# KiCad board hellen88m42bmw.kicad_pcb (continued)
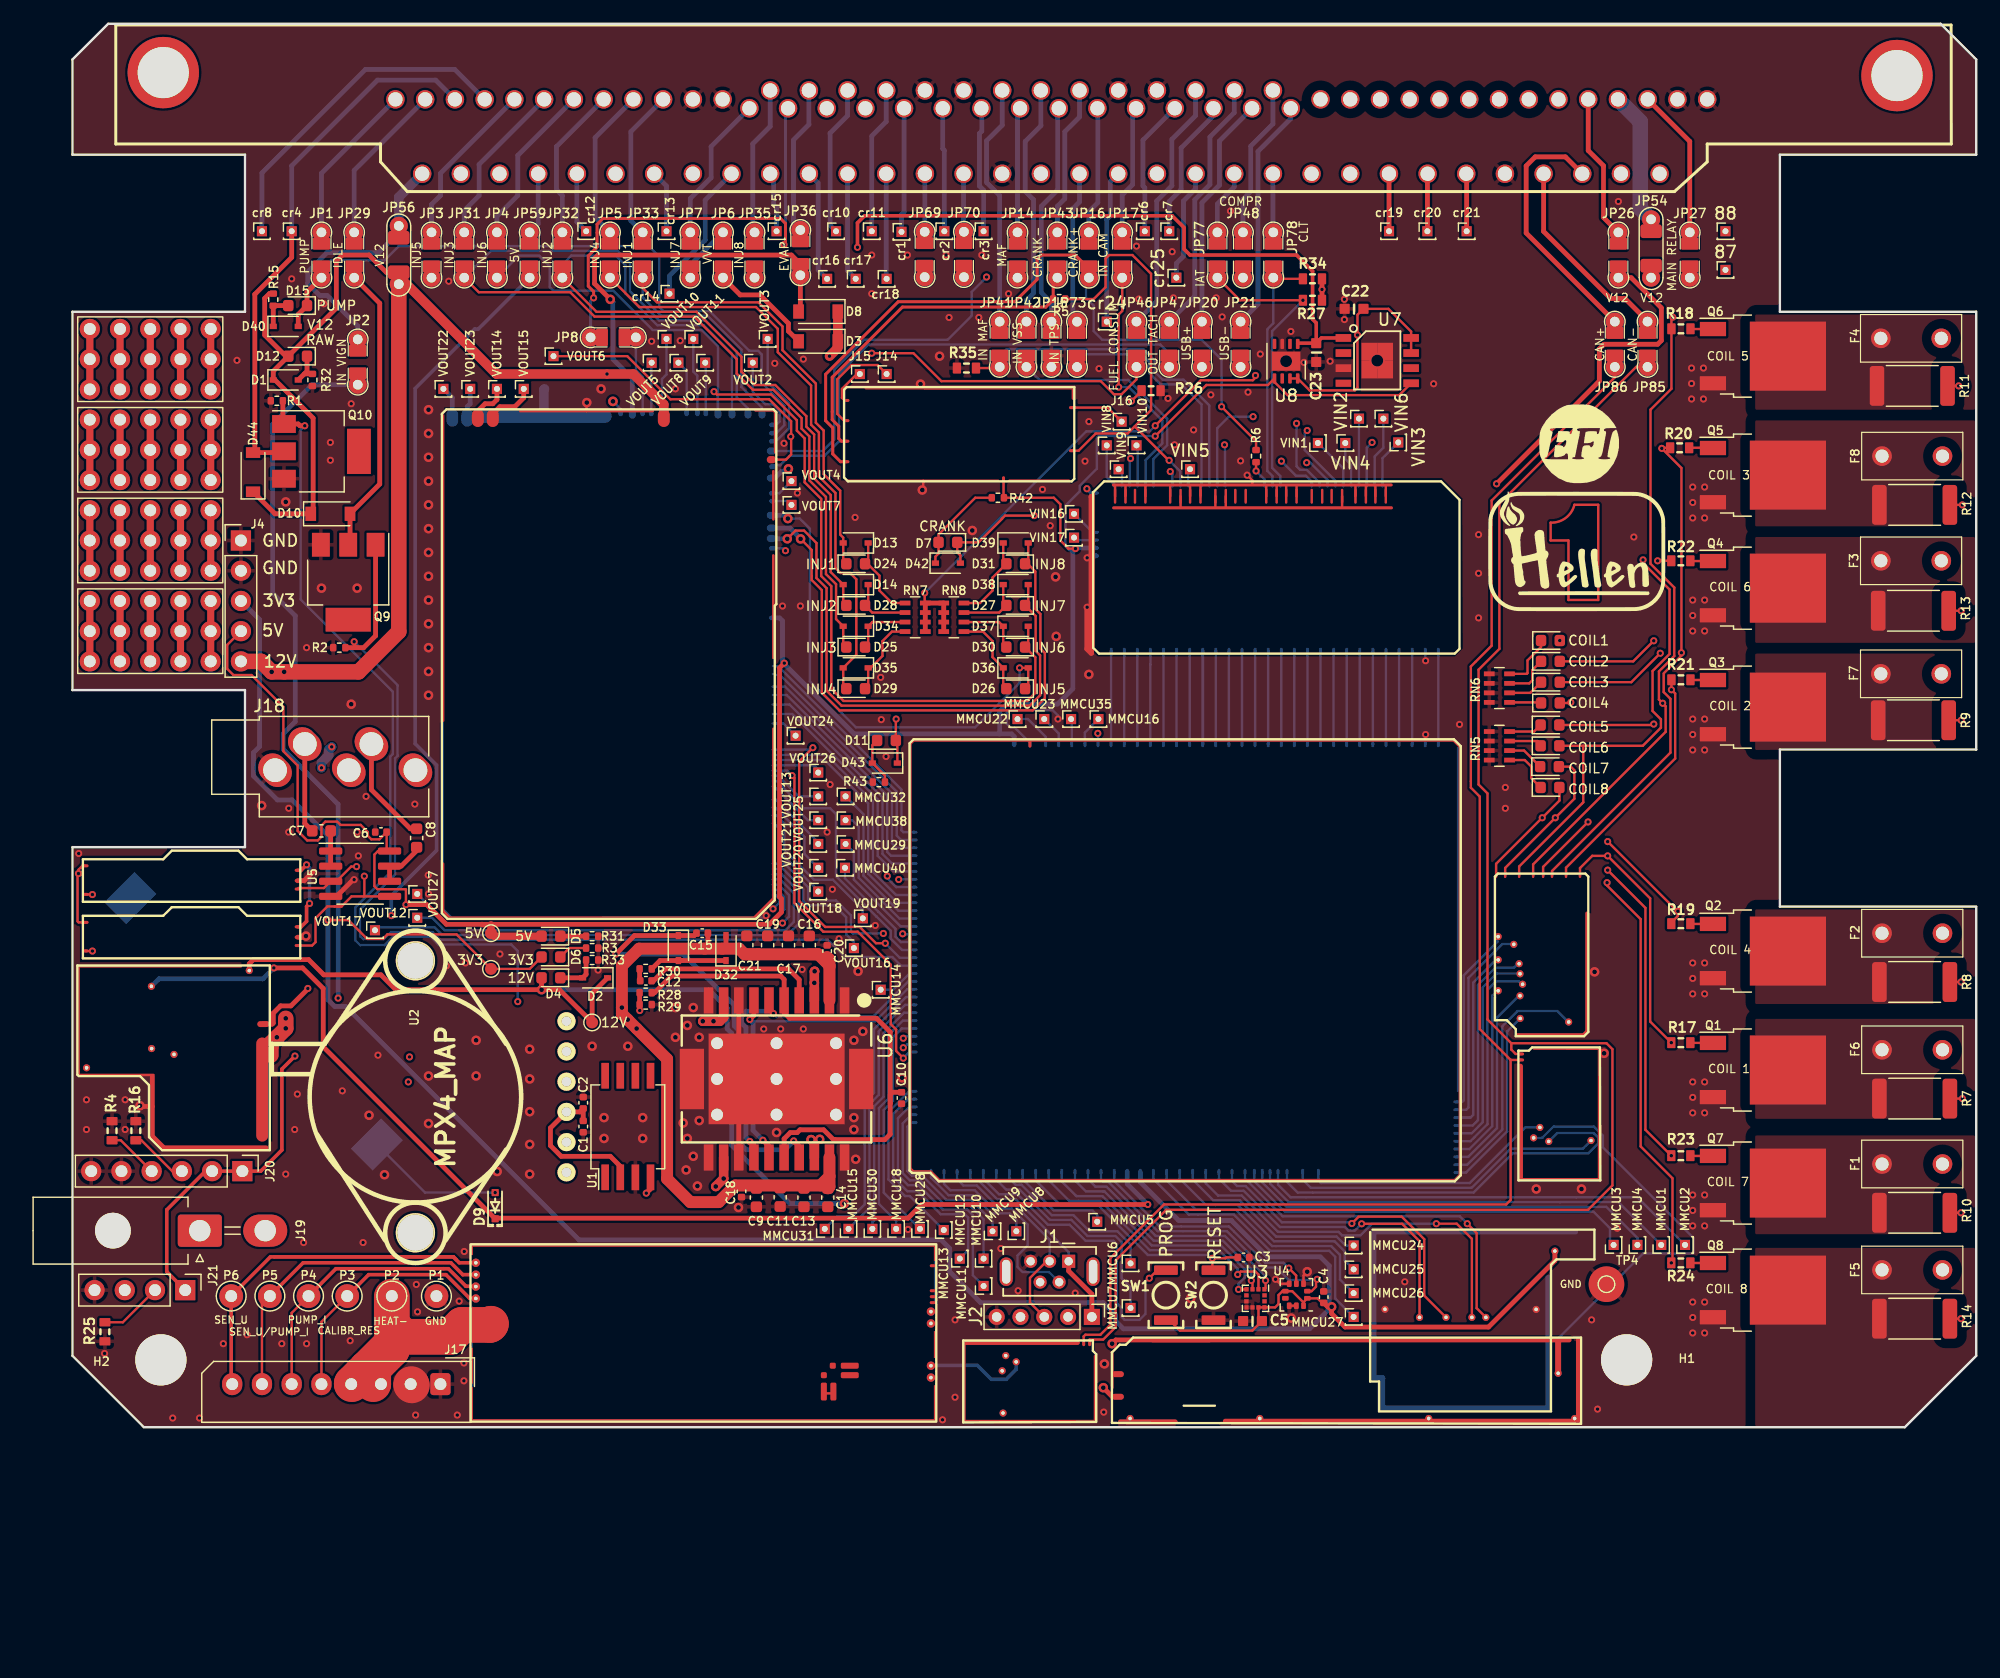
[diagram p0: board, top side]
## Routing (per net, layer and track width the routed paths; a pad name or vN(x,y) marks a point on that pad's centre or on a via; arc(x,y) is an arc through that point) (continued)
+5VA: length 247.6
  Top w0.2: M7.J17 96.93,77.32 ; M7.J18 96.06,77.32 ; M7.J7 106.71,77.32 ; M7.J21 93.13,77.32
  Top w0.3: M8.E1 19.21,46.81 v1(19.68,47.27) ; M12.E1 19.21,42.06 19.68,42.52 19.68,43.77 v1(19.93,44.02)
  Top w0.4: C1.1 C2.1 42.64,26.5 U2.3 40.18,25.16 40.18,23.67 41.07,22.77 45.2,22.77 46.04,21.93 U1.2 ; R34.2 v1(105.02,95.63) R27.2
  In1.Cu w0.3: 30.59,45.66 30.59,41.66 32.08,40.17 32.08,34.87 v1(28.33,31.12) ; 30.59,45.66 27.86,45.66 27.53,45.32 21.63,45.32 v1(19.68,47.27) ; 30.59,45.66 30.59,55.76 27.78,58.57 27.78,59.77 27.53,60.02 27.53,94.17 28.83,95.47 28.83,101.42 29.48,102.07 82.88,102.07 84.03,100.92 84.03,95.42 85.63,93.82 85.63,87.07 86.13,86.57 86.13,79.75 ; 86.13,79.75 86.2,79.68 92.58,79.68 93.15,80.25 93.15,82.14 93.53,82.51 93.53,90.22 94.73,91.42 98.32,91.42 102.53,95.63 v1(105.02,95.63) ; 86.13,79.75 v1(85.26,78.88) ; v1(28.23,29.02) 29.55,27.7 40.33,27.7 U2.3
  In2.Cu w0.3: v1(28.23,29.02) 28.23,31.02 v1(28.33,31.12)
  Bottom w0.2: M7.N1 114.8,57.4
  Bottom w0.3: v1(85.26,78.88) 85.62,78.52 M7.E5 ; v1(19.68,47.27) 19.93,47.02 v1(19.93,44.02)
+5VP: length 186.5
  Top w0.3: U7.1 104.97,91.55 C23.2 ; C23.2 104.53,92.82 104.23,93.12 104.23,97.17 102.88,98.52 93.93,98.52 93.43,99.02 93.43,100.82 92.43,101.82 66.58,101.82 65.98,101.22 v1(65.98,99.17) ; C23.2 103.04,91.12 U8.1 ; J21.1 7.93,13.07 7.93,18.27 11.18,21.52 J20.2 J20.1 15.82,21.52 17.6,23.3 17.6,30.1 v1(18.7,31.2)
  In1.Cu w0.3: JP59.2 40.31,98.5 65.3,98.5 v1(65.98,99.17) ; v1(18.7,31.2) 24.51,37.01 24.51,43 v1(26.8,43)
  Bottom w0.3: v1(26.8,43) 26.8,44.68 30.6,48.48 30.6,55.65 28.8,57.45 28.8,87.3 33.8,92.3 34.11,92.3 JP59.2
+12V: length 111.4
  Top w0.4: M5.V1 87.4,2.56 v2(86.64,3.32) ; v2(39.43,36.77) 27.18,36.77 25.93,38.02 21.13,38.02 19.85,39.3 15.21,39.3 14.86,38.96 M1.V1 ; v2(39.43,36.77) 40.93,36.77 TP1.1 43.68,36.47 D2.1 ; v2(39.43,36.77) D4.2
  In2.Cu w0.4: v2(86.64,3.32) 85.93,4.03 85.93,7.42 85.38,7.97 76.73,7.97 73.63,11.07 73.63,15.17 73.13,15.67 68.43,15.67 68.05,16.05 68.05,17.45 68,17.45 67.88,17.57 66.1,17.57 v2(64.88,18.8)
  Bottom w0.4: v2(39.43,36.77) 53.48,36.77 55.03,35.22 55.03,33.49 55.4,33.11 55.4,23.7 60.3,18.8 v2(64.88,18.8)
+12V_RAW: length 412.3
  Top w0.4: C15.1 53.41,40.5 53.13,40.22 ; D12.2 22.18,94.06 22.18,98.01 22.69,98.52 24.93,98.52 26.38,97.07 JP56.2 ; D12.2 16.88,88.76 D1.1 17.02,88.02 20.23,84.82 20.23,76.97 D10.1 17.03,76.77 D44.1 ; D12.2 17.93,90.02 16.16,91.79 16.16,94.88 16.56,95.28 R15.1 ; 54.63,40.22 54.93,40.52 D32.2 ; 57.26,20.3 C9.1 ; 63.68,20.27 C14.1
  Top w0.8: JP56.2 27.43,96.72 35.63,88.52 v1(44.93,88.52) 47.14,88.52 49.7,85.96 M9.S11 ; v1(63.63,90.02) 64.33,90.72 D3.1 D8.1
  Top w1: U6.2 63.62,38.72 ; 63.62,38.72 63.62,39.33 63.43,39.52 ; 63.62,38.72 63.62,38.8 62.68,39.75 ; 57.65,39.75 C21.1 ; 57.65,39.75 62.68,39.75 ; 57.65,39.75 56.5,39.75 56.03,40.22 47.63,40.22 46.18,38.77 v2(46.18,35.27) 46.18,34.75 v2(46.66,34.26) v2(47.41,33.51) 49.98,30.95 49.98,20.87 51.93,18.92 54.31,18.92 55.71,20.32 62.87,20.32 63.62,21.08 ; U6.19 63.62,21.08 ; 63.62,21.08 63.62,20.22 C14.1 ; 62.68,39.75 C16.1
  Top w1.3: v2(17.93,34.36) v2(17.93,33.52) v2(17.18,32.77) 16.68,32.27 v2(16.68,32.02) 16.68,31.27 ; JP56.2 27.43,66.87 24.04,63.49 v2(17.79,63.49) v2(16.74,63.49) 15.86,64.37 J4.5
  In1.Cu w0.8: 20.93,55.52 21.21,55.81 21.21,56.18 21.79,56.75 21.79,57.11
  In1.Cu w1.3: J4.5 15.04,63.49 18.08,63.49 21.79,59.78 v1(21.79,57.18) 21.79,57.11 ; 18.18,46.77 18.18,48.32 20.93,51.07 v1(20.93,55.42) 20.93,55.52 ; 18.18,46.77 18.18,47.77 ; 18.18,46.77 18.18,33.52 v2(16.68,32.02)
  In2.Cu w0.8: v1(44.93,88.52) 45.03,88.42 62.03,88.42 v1(63.63,90.02)
  In2.Cu w1: v2(47.41,33.51) 46.18,34.75 v2(46.18,35.27) 45.68,35.77 43.93,35.77 43.83,35.67 39.38,35.67 38.07,34.36 v2(17.93,34.36) 17.93,33.27 v2(16.68,32.02)
  In2.Cu w1.3: 132.68,96.62 131.06,98.23 129.85,98.23 128.31,99.76 128.31,101.31 128.52,101.52 128.52,106.08 126.08,108.52 27.68,108.52 25.81,106.66 25.81,97.68 JP56.2
  Bottom w0.8: v1(21.79,57.18) 21.54,56.93 21.54,56.47 20.93,55.85 v1(20.93,55.42)
/12V_prot: length 119.8
  Top w0.2: v1(91,84.17) 94.83,88 99.2,88 99.43,88.23 v1(99.43,88.4) ; U8.7 U8.8 103.98,87.15 107.77,87.15 108,87.37 v1(108,91.8) 108,93.5 C22.2 110.6,94 112.51,92.09 U7.8 U7.7 ; RN7.4 71.63,69.32 v1(71.63,70.12) ; VOUT6.1 46.63,90.02 50.25,86.4 58.55,86.4 60.4,84.55 60.4,83.3 v1(60.37,83.26) 60.4,83.23 60.4,81.75 59.97,81.33 M9.W5
  Top w0.4: RN7.1 RN7.4 RN8.1 RN8.4
  In1.Cu w0.2: v1(99.43,88.4) 100.53,87.3 106.8,87.3 108,88.5 v1(108,91.8)
  In2.Cu w0.2: v1(71.63,70.12) 71.63,72 v1(60.37,83.26)
  Bottom w0.2: v1(91,84.17) 90.53,83.7 85.2,83.7 v1(71.63,70.12)
/V12_PERM: length 174.7
  Top w0.4: JP26.2 131,96.62 133.54,94.08 133.54,91.33 133.23,91.02 128.72,91.02 128.33,90.63 128.33,87.93 v1(119.69,79.29)
  In1.Cu w0.4: M1.V4 9.5,30.37 28.63,30.37 39.93,41.67 61.33,41.67 69.33,49.67 69.33,58.02 70.18,58.87 77.18,58.87 79.83,61.52 118.62,61.52 120.13,63.03 120.13,78.86 v1(119.69,79.29)
/VBAT: length 99.9
  Top w0.4: v1(90.38,18.72) 71.38,18.72 70.23,17.57 35.48,17.57 21.08,31.97 21.08,36.87 19.35,38.6 v1(16.93,38.6)
  Bottom w0.4: v1(16.93,38.6) 16.01,37.69 7.26,37.69 M1.V2 ; v1(90.38,18.72) 88.65,20.45 M11.N17
/VBUS: length 17.7
  Top w0.4: J1.1 83.73,13.13 85.68,11.18 J2.1
  Bottom w0.2: J1.1 83.73,14.71 79.27,19.17 77.71,19.17 76.16,20.72 75.62,20.72 75.45,20.89 M11.N29
/VSS: length 7.9
  Bottom w0.2: M7.N20 93.9,57.4
GND: length 92.7
  Top w0.2: M2.E1 128.33,31.82 v2(128.73,31.43) ; v2(43.23,86.12) 43.2,86.1 M9.G ; U4.3 103.46,12.76 v2(103.78,13.07) ; U4.9 U4.8 ; U4.5 101.49,12.06 v1(101.11,12.43) ; M7.J5 108.71,79.18 ; M7.J11 102.88,79.18 ; M7.J12 102.01,79.18 ; v2(71.28,87.67) 71.62,87.33 M6.G ; M7.J14 100.33,79.18 ; M7.J19 94.81,79.18 ; M7.J25 88.5,79.18 ; v1(98.73,80.02) 99.16,79.59 M7.J2 ; M7.J20 93.93,79.18 ; M7.J22 92.26,79.18 ; M7.J4 109.51,79.18 ; M7.J23 90.18,79.18 ; M7.J6 107.83,79.18 ; M7.J13 101.21,79.18 ; M7.J26 87.63,79.18 ; v2(71.43,78.77) 71.5,78.85 M6.G ; M7.J3 110.38,79.18
  Top w0.4: M8.E2 19.47,45.94 20.24,46.71 ; U5.4 22.19,44.62 23.59,46.02 v1(23.67,46.02) ; v2(5.68,27.02) 5.74,26.96 M1.S1 ; U6.8 56,32.45 U6.SLUG2 56,26.1 U6.13 ; M12.E2 19.53,41.19 v2(19.63,41.28)
  Top w0.457: v1(85.28,68.92) 85.28,65.42 85.63,65.07 85.63,78.22 85.63,78.22
  Top w3: 28.48,3.62 28.48,3.57 28.53,3.52
  Bottom w0.2: M7.N2 113.7,64.45 v1(113.73,64.42) ; v1(113.73,58.22) 113.69,58.19 113.69,57.4 ; v1(82.83,59.52) 82.83,59.82 82.37,60.27 78.73,60.27 78.53,60.07 78.53,59.12 78.85,58.8 79.2,58.8 80.47,57.53 80.47,57.4 ; v1(58.3,42.99) 58.15,42.84 M9.G
  Bottom w0.4: 85.81,73.24 M7.E1 85.44,73.24 v1(85.28,73.07)
  Bottom w0.8: 39.68,87.27 39.62,87.22 M9.S3
  vias: v1(0.53,48.22) v1(1.18,27.52) v1(1.18,25.02) v1(2.7,6.2) v1(4.43,27.52) v1(4.43,25.02) v1(8.43,0.77) v1(10.68,0.77) v1(12.68,7.02) v1(13.83,89.67) v1(14.68,7.77) v1(17.59,7.02) v1(17.93,21.27) v1(18.18,52.02) v1(18.18,50.02) v1(18.43,96.52) v1(18.68,25.02) v1(18.9,28) v1(19.43,15.52) v1(19.68,65.52) v1(19.68,7.02) v1(21.13,94.42) v1(21.68,82.77) v1(21.68,81.27) v1(22.68,28.27) v1(23.34,7.27) v1(23.43,86.02) v1(23.93,50.02) v1(24.03,48.02) v1(24.43,15.52) v1(24.68,53.02) v1(25.68,31.27) v1(28.78,52.37) v1(28.84,1.02) v1(28.9,12) v1(29,9.7) v1(29.9,46.4) v1(29.93,44.82) v1(31.43,38.77) v1(31.63,96.32) v1(32.34,1.02) v1(32.5,10.6) v1(32.93,14.77) v1(32.9,5.4) v1(32.9,3.9) v1(33.03,39.02) v1(35.93,39.77) v1(44.18,38.42) v1(48.68,91.27) v1(50.68,87.27) v1(51.08,91.32) v1(58.1,33.47) v1(59.03,89.42) v1(59.53,33.47) v1(59.68,69.02) v1(59.8,82.7) v1(60.93,78.52) v1(61.18,69.02) v1(61.33,38.47) v1(61.43,89.77) v1(61.43,33.47) v1(63.43,50.02) v1(63.68,54.02) v1(63.87,45.21) v1(64.43,41.05) v1(65.78,76.47) v1(67.18,98.52) v1(67.18,95.27) v1(67.48,42.17) v1(67.93,63.02) v1(67.98,59.47) v1(68.38,56.37) v1(70.18,98.52) v1(70.23,16.62) v1(73.13,0.62) v1(73.43,98.52) v1(73.68,93.27) v1(74.18,9.02) v1(74.18,2.52) v1(76.18,93.27) v1(76.43,98.52) v1(78.03,15.02) v1(78.68,95.27) v1(79.48,11.47) v1(81.53,78.82) v1(82.18,75.77) v1(84.28,11.27) v1(85.1,81.2) v1(85.43,84.52) v1(86.28,88.97) v1(86.68,1.27) v1(89.43,99.27) v1(89.63,94.82) v1(92.08,86.47) v1(92.43,98.8) v1(92.53,94.92) v1(92.63,82.57) v1(94.23,83.82) v1(95.68,86.77) v1(96.13,94.92) v1(96.63,93.32) v1(97.33,102.22) v1(98.18,81.22) v1(98.8,87) v1(99.83,90.2) v1(102.4,92.1) v1(103.5,89.5) v1(105.7,89.6) v1(106.9,94.8) v1(106.9,93.1) v1(111.98,12.22) v1(114.4,87.7) v1(116.58,59.07) v1(118.18,75.02) v1(118.18,71.77) v1(118.18,68.02) v1(120.43,53.77) v1(120.43,52.02) v1(127.68,9.02) v1(128.18,1.52) v1(129.83,16.72) v1(129.93,103.02) v1(131.23,74.82) v1(136.07,89.02) v1(136.07,87.72) v1(136.07,86.42) v1(136.17,79.02) v1(136.17,77.72) v1(136.17,76.42) v1(136.17,69.52) v1(136.17,68.22) v1(136.17,66.92) v1(136.17,59.52) v1(136.17,58.22) v1(136.17,56.92) v1(136.17,39.02) v1(136.17,37.72) v1(136.17,36.42) v1(136.17,29.02) v1(136.17,27.72) v1(136.17,26.42) v1(136.17,19.52) v1(136.17,18.22) v1(136.17,16.92) v1(136.17,10.52) v1(136.17,9.22) v1(136.17,7.92) v1(137.07,89.02) v1(137.07,86.42) v1(137.17,79.02) v1(137.17,76.42) v1(137.17,69.52) v1(137.17,66.92) v1(137.17,59.52) v1(137.17,56.92) v1(137.17,39.02) v1(137.17,36.42) v1(137.17,29.02) v1(137.17,26.42) v1(137.17,19.52) v1(137.17,16.92) v1(137.17,10.52) v1(137.17,7.92) v2(15.9,52.25) v2(17.93,77.77) v2(20.93,70.52) v2(23.43,60.77) v2(23.93,70.52) v2(24.93,26.22) v2(26.23,21.22) v2(29.93,85.52) v2(29.93,83.52) v2(29.93,81.52) v2(29.93,79.52) v2(29.93,77.52) v2(29.93,75.52) v2(29.93,73.52) v2(29.93,71.52) v2(29.93,69.52) v2(29.93,67.52) v2(29.93,65.52) v2(29.93,63.52) v2(29.93,61.52) v2(29.93,29.52) v2(29.93,25.52) v2(33.93,32.52) v2(33.93,29.52) v2(35.7,21.49) v2(38.43,31.77) v2(38.43,29.27) v2(38.43,26.52) v2(38.43,23.77) v2(38.43,21.27) v2(43.68,32.02) v2(44.43,87.27) v2(44.68,26.02) v2(44.68,24.27) v2(46.68,32.02) v2(47.93,26.02) v2(47.93,24.27) v2(50.68,35.27) v2(50.68,32.77) v2(51.33,25.57) v2(51.58,21.62) v2(51.68,33.77) v2(51.68,24.27) v2(52.18,35.27) v2(52.18,22.77) v2(52.53,20.27) v2(52.68,32.77) v2(52.68,25.77) v2(55.98,18.47) v2(59.18,24.77) v2(65.68,32.52) v2(65.68,26.02) v2(65.68,25.02) v2(65.83,22.52) v2(66.03,38.32) v2(66.43,33.27) v2(69.73,29.37) v2(72.88,90.02) v2(75.63,75.37) v2(82.63,71.47) v2(82.68,66.47) v2(85.43,63.27) v2(86.73,5.32) v2(93.98,10.82) v2(102.43,9.17) v2(123.03,20.02) v2(126.83,20.02) v2(127.93,38.27) v3(102,89.6) v3(109.66,89.65)
/+ETB: length 29
  Top w0.4: v1(56.93,34.27) 57.27,34.62 U6.7 ; v1(58.03,24.12) 58.54,23.61 U6.15
  Bottom w0.2: v1(56.93,34.27) 57.08,34.12 67.46,34.12 70.16,36.82 M11.E14
  Bottom w0.4: v1(56.93,34.27) 57.2,34 57.2,24.95 v1(58.03,24.12)
/-ETB: length 29.7
  Top w0.4: v1(58.91,34.77) 58.54,35.14 U6.6 ; U6.14 57.27,23.68 v1(56.93,24.02)
  Bottom w0.2: M11.E15 70.25,37.48 67.3,34.52 59.16,34.52 v1(58.91,34.77)
  Bottom w0.4: v1(56.93,24.02) 56.6,24.35 56.6,33.61 56.23,33.98 56.23,34.56 56.64,34.97 58.71,34.97 v1(58.91,34.77)
/A1: length 7.9
  Bottom w0.2: M7.N4 111.5,57.4
/A2: length 7.9
  Bottom w0.2: 102.69,57.4 102.69,65.27
/A4: length 7.9
  Bottom w0.2: M7.N11 103.8,57.4
/AC_COMPR: length 15.7
  In2.Cu w0.2: v1(69.78,41.47) 68.18,41.47 v1(68.15,41.5)
  Bottom w0.2: v1(68.15,41.5) 65.6,41.5 65.43,41.67 65.43,43.02 64.18,44.27 61.93,44.27 61.83,44.37 61.83,45.38 59.85,47.36 M9.W34 ; M11.E21 69.81,41.44 v1(69.78,41.47)
/AFR: length 7.9
  Bottom w0.2: M7.N18 96.1,57.4
/AUX4: length 7.9
  Bottom w0.2: 108.19,65.27 108.19,57.4
/BOOT0: length 27.5
  Top w0.2: SW1.1 91.18,13.2 v1(90.5,12.52)
  Bottom w0.2: M11.N28 76.55,20.9 77.88,19.57 79.43,19.57 81.98,17.02 83.8,17.02 85.15,15.67 87.49,15.67 87.78,15.39 87.78,10.42 88.18,10.02 88.18,9.27 88.43,9.02 89.68,9.02 90.18,9.52 90.18,12.2 v1(90.5,12.52)
/CAM: length 7.9
  Bottom w0.254: M7.N19 95,57.4
/CAN+: length 121.8
  Top w0.2: 120.87,30.88 120.87,19.1 120.49,18.72 91.74,18.72 87.23,14.21 87.23,8.61 86.39,7.77 85.13,7.77 84.99,7.64 M4.S2 ; 120.87,30.88 118.28,33.47 118.28,53 117.53,53.75 117.53,63.94 119.28,65.69 119.28,77.89 129.63,88.24 JP86.2 ; 120.87,30.88 120.87,30.87 M2.S2
/CAN-: length 139
  Top w0.2: M4.S1 85.49,7.37 86.63,7.37 87.68,8.42 87.68,14.02 91.93,18.27 127.38,18.27 129.43,20.32 129.43,31.77 128.93,32.27 120.93,32.27 ; 120.93,32.27 120.93,31.74 121.29,31.37 M2.S1 ; 120.93,32.27 118.93,34.27 118.93,53.27 118.18,54.02 118.18,63.67 119.93,65.42 119.93,77.62 131.42,89.12 JP85.2
/CAN_RX: length 26.8
  Bottom w0.2: M11.N2 103.4,20.8 104.08,20.12 117.59,20.12 120.89,23.42 126.95,23.42 M2.V6
/CAN_TX: length 34.2
  Bottom w0.2: M11.N3 102.08,20.62 102.98,19.72 104.24,19.72 117.76,19.72 121.06,23.02 127.4,23.02 128.23,23.85 128.23,24.35 127.85,24.72 124.78,24.72 M2.V5
/CAN_VIO: length 21.4
  Bottom w0.2: M11.N1 104.72,20.73 104.93,20.52 117.43,20.52 122.1,25.2 M2.V2
/CLT: length 7.9
  Bottom w0.2: M7.N16 98.3,57.4
/CRANK: length 7.9
  Bottom w0.2: M7.N21 92.8,57.4
/ETB_EN: length 32
  Top w0.4: v1(47.68,35.02) 47.67,35.03 47.67,36.27
  In1.Cu w0.4: v1(68.48,46.33) 67.68,46.33 61.82,40.47 48.98,40.47 47.68,39.17 v1(47.68,35.02)
  Bottom w0.2: v1(68.48,46.33) 68.48,46.15 69.23,45.4 M11.E27
/EVAP: length 23.1
  In2.Cu w0.2: v1(69.83,31.9) 69.75,31.9 66.73,34.92 66.73,40.67 66.4,41 65.45,41 64.07,42.37 v1(59.68,42.37)
  Bottom w0.2: v1(69.83,31.9) 69.87,31.9 70.17,32.2 M11.E7 ; M9.W38 59.35,45.6 60.23,44.72 60.23,42.92 v1(59.68,42.37)
/FUEL_CONSUM: length 28.4
  Top w0.2: v1(62.23,57.11) 61.08,55.96 61.08,44.24 63.27,42.05 66.17,42.05 67.53,40.68 v1(68.31,40.68)
  Bottom w0.2: v1(62.23,57.11) 62.07,56.95 M9.W22 ; v1(68.31,40.68) 69.53,39.46 M11.E18
/HV_1: length 110
  In1.Cu w1.2: F6.1 154.59,34.3 136.67,34.3 133.53,37.45 133.53,54.22 130.28,57.47 130.28,68.42 126.83,71.87 126.83,81.27 113.63,94.47 113.63,94.5 112.27,95.86 112.27,109.23 PP1.50
/HV_2: length 76.1
  In1.Cu w1.2: PP1.51 118.77,107.73 118.77,93.43 129.83,82.37 129.83,72.97 131.7,71.1 147.5,71.1 155.28,63.32 F7.1
/HV_3: length 58.6
  In1.Cu w1.2: PP1.52 125.27,106.23 125.27,91.08 131.08,85.27 153.52,85.27 F8.1
/HV_4: length 108.6
  In1.Cu w1.2: 131.73,69.02 128.38,72.37 128.38,81.77 115.52,94.63 115.52,108.48 PP1.23 ; 131.73,69.02 131.73,58.17 135.08,54.82 135.08,49.92 145.83,39.17 154.82,39.17 F2.1 ; 131.73,69.02 131.73,59.02
/HV_5: length 51.2
  In1.Cu w1.5: F4.1 155.19,89.65 144.5,89.65 141.13,93.02 141.13,104.12 136.43,108.82 124.99,108.82 122.39,111.43 PP1.25
/HV_6: length 68.1
  In1.Cu w1.2: PP1.24 122.02,106.98 122.02,92.23 131.28,82.97 131.28,76.67 133.03,74.92 154.97,74.92 F3.1
/HV_7: length 120.8
  In1.Cu w1.2: F1.1 154.02,25.27 135.7,25.27 131.93,29.05 131.93,53.62 128.83,56.72 128.83,67.82 125.38,71.27 125.38,80.67 109.02,97.03 109.02,109.98 PP1.22
/HV_8: length 129.2
  In1.Cu w1.2: PP1.49 105.77,110.73 105.77,98.23 123.83,80.17 123.83,70.62 127.33,67.12 127.33,56.07 130.43,52.97 130.43,24.35 133.87,20.9 137.9,20.9 143.1,15.7 154.69,15.7 F5.1
/IAT: length 7.9
  Bottom w0.2: M7.N15 99.4,57.4
/ICV: length 114
  Top w0.4: v1(19.53,84.17) 19.12,84.17 18.97,84.32 Q10.1 17.69,84.41 R1.2
  In1.Cu w0.2: v1(37.43,35.77) 40.43,32.77 47.67,32.77 48.28,33.38 48.28,39.07 49.18,39.97 62.03,39.97 67.78,45.73 69.13,45.73 v1(69.44,46.04)
  Bottom w0.2: v1(37.43,35.77) 37.43,40.02 36.87,40.57 30.74,40.57 30.1,41.22 26.94,41.22 26.24,40.52 24.18,40.52 23.78,40.92 23.78,43.69 26.72,46.63 26.72,56.38 26.93,56.59 26.93,61.82 19.18,69.57 19.18,83.82 v1(19.53,84.17) ; M11.E28 69.46,46.06
/IDLE: length 86.9
  Top w0.2: v1(23.68,66.02) 23.68,65.77 23.93,65.52
  Top w0.4: R2.2 24.48,65.52 25.48,66.52 Q9.1
  Bottom w0.2: v1(23.68,66.02) 27.33,62.37 27.33,56.42 27.11,56.21 27.11,46.46 24.18,43.52 24.18,41.27 24.43,41.02 26.18,41.02 26.78,41.62 30.26,41.62 30.91,40.97 63.47,40.97 64.93,39.52 68.9,39.52 69.63,38.8 M11.E17
/IGN1: length 15.6
  Bottom w0.2: 119.76,41.26 119.76,40.8 116.93,37.97 116.93,27.47 116.8,27.34 M11.W1
/IGN2: length 16.9
  Bottom w0.2: 121.07,40.61 120.17,40.61 117.33,37.77 117.33,26.87 117.14,26.68 M11.W2
/IGN3: length 16.6
  Bottom w0.2: 119.76,39.31 119.66,39.31 117.73,37.37 117.73,26.25 117.5,26.02 M11.W3 117.43,26.02
/IGN4: length 17.5
  Bottom w0.2: M11.W4 117.68,25.36 118.13,25.8 118.13,37.17 119.58,38.62 121.15,38.62 121.52,38.99
/IGN5: length 17.5
  Bottom w0.2: 121.59,38.14 119.69,38.14 118.53,36.97 118.53,25.64 117.59,24.7 M11.W5
/IGN6: length 17.8
  Bottom w0.2: 121.81,37.26 121.6,37.47 119.63,37.47 118.93,36.77 118.93,25.47 117.83,24.37 117.5,24.04 M11.W6
/IGN7: length 18.3
  Bottom w0.2: 119.33,35.07 119.33,34.12 ; 119.33,35.07 119.33,36.06 ; 119.33,35.07 119.33,35.15 119.33,34.32 ; 119.33,34.12 119.33,25.31 117.4,23.38 M11.W7 ; 119.33,34.12 119.33,36.06 ; 119.76,36.71 119.33,36.28 119.33,36.06
/IGN8: length 16.3
  Bottom w0.2: 121.59,36.29 121.59,36.29 119.73,34.42 119.73,25.14 117.31,22.72 M11.W8
/IGN_V5: length 20.2
  Bottom w0.2: M11.W9 117.21,22.06 120.18,25.03 120.18,33.71 121.45,34.99 124.78,34.99 125.68,34.09
/IGN_V33: length 15.6
  Bottom w0.2: 117.15,21.43 120.58,24.86 120.58,33.27 120.59,33.27 M10.V10 ; M11.W10 117.12,21.4
/IN_CAM: length 20.2
  Top w0.2: v1(87.93,87.42) 87.93,93.52 88.23,93.82 88.23,96.32 87.93,96.62
  Bottom w0.2: M7.S5 90.19,81.28 91.6,82.7 91.6,84.6 88.78,87.42 v1(87.93,87.42)
/IN_CLT: length 20.3
  Top w0.2: R34.1 101.02,96.52 JP78.2
  Bottom w0.2: JP78.2 100.93,92.79 100.43,92.29 100.43,80.37 100.86,79.94 M7.S15
/IN_CRANK: length 59.5
  Top w0.2: M6.W2 84.56,82.08 86,83.52 88.68,83.52 89.23,84.07 ; D42.2 74.63,73.27 74.36,73.54 D7.1 76.15,74.37 78.13,76.35 78.13,76.37 78.38,76.62 v1(80.83,76.62) ; v1(92.17,81.27) 92.13,81.27 89.33,84.07 89.23,84.07 ; 89.23,84.07 90.65,85.5 90.65,96.95 89.08,98.52 87.13,98.52 86.83,98.22 86.83,95.82 85.83,94.82 R5.2
  In2.Cu w0.2: v1(92.17,81.27) 92.17,81.12 90.73,79.67 85.05,79.67 82,76.62 v1(80.83,76.62)
  Bottom w0.2: M7.S8 93.11,80.33 v1(92.17,81.27)
/IN_CRANK+: length 29.2
  Top w0.25: M6.E2 64.62,82.88 64.4,83.1 64.4,84.14 63.85,84.68 63.85,88.25 69.75,94.15 81.8,94.15 82.43,94.77 82.43,96.62
/IN_CRANK-: length 61.3
  Top w0.2: R6.1 99.48,82.87 v1(96.58,85.77)
  Top w0.25: JP16.2 85.23,97.57 84.28,98.52 81.43,98.52 81.08,98.17 81.08,96.48 79.2,94.6 69.4,94.6 63.3,88.5 63.3,84.6 63.9,84 63.9,81.8 64.55,81.15 M6.E1
  Bottom w0.2: v1(96.58,85.77) 96.58,89.72 94.9,91.4 86.55,91.4 85.83,92.12 85.83,94.27 85.18,94.92 85.18,96.62
/IN_IAT: length 24.8
  Top w0.2: JP77.2 98.12,94.72 v1(103.42,94.72)
  Bottom w0.2: M7.S16 101.52,79.94 100.83,80.63 100.83,92.13 103.42,94.72 v1(103.42,94.72)
/IN_KNOCK1: length 152.8
  Top w0.2: M8.E3 19.01,45.32 21.13,45.32 U5.3 22.19,45.89 23.43,47.12 v1(23.88,47.12)
  In1.Cu w0.2: v1(92.27,80.32) 91.57,81.02 91.57,81.52 92,81.94 92,84.8 91.03,85.77 91.03,101.17 88.93,103.27 27.18,103.27 25.33,101.42 25.33,94.93 26.58,93.68 26.58,59.63 26.93,59.28 26.93,56.43 26.62,56.12 26.62,48.72 25.02,47.12 v1(23.88,47.12)
  Bottom w0.2: M7.S7 92.45,80.14 v1(92.27,80.32)
/IN_KNOCK1_RAW: length 110.4
  Top w0.2: v1(1.68,44.77) 1.66,44.79 M8.W1
  In2.Cu w0.2: v1(1.68,44.77) 10.94,44.77 14.8,48.63 14.8,58.02 18.05,61.27 20.18,61.27 26.18,67.27 26.18,89.27 30.53,93.62 68.63,93.62 71.63,96.62 JP69.2
/IN_KNOCK2: length 156.5
  Top w0.2: 24.48,44.62 24.53,44.67 v1(24.53,46.32) ; 24.48,44.62 23.46,44.62 22.62,43.77 ; 24.48,44.62 U5.5 ; 22.28,43.77 22.03,43.77 ; 22.28,43.77 22.62,43.77 ; 22.28,43.77 22.48,43.77 ; 22.03,43.77 22.62,43.77 ; 22.03,43.77 21.43,43.77 20.43,42.77 20.43,40.77 20.14,40.49 M12.E3 ; R26.2 89.85,87.1 v1(89,86.25)
  In1.Cu w0.2: v1(88.93,81.42) 88.68,81.42 88.43,81.67 88.43,83.27 89,83.85 v1(89,86.25) 89,87.45 87.93,88.52 87.93,94.27 86.68,95.52 86.68,101.02 85.03,102.67 27.58,102.67 25.98,101.07 25.98,95.12 26.98,94.12 26.98,59.8 27.33,59.45 27.33,56.27 27.01,55.96 27.01,48.27 25.06,46.32 v1(24.53,46.32)
  Bottom w0.2: v1(88.93,81.42) 88.87,81.36 M7.S3
/IN_KNOCK2_RAW: length 115.6
  Top w0.2: M12.W1 1.11,40.02 v1(1.68,40.02)
  In2.Cu w0.2: v1(1.68,40.02) 7.04,40.02 15.2,48.19 15.2,57.55 18.33,60.67 20.42,60.67 26.78,67.02 26.78,89.02 30.97,93.22 71.63,93.22 74.93,96.52
/IN_MAF: length 38.1
  Top w0.2: JP41.2 77.83,89.02 R35.2
  In1.Cu w0.2: JP14.2 79.43,94.07 79.05,93.7 79.05,90.25 JP41.2
  Bottom w0.2: JP41.2 77.93,90.02 78.5,90.6 90.01,90.6 90.95,89.66 90.95,88.72 91.63,88.05 93.38,88.05 95.55,85.87 M7.S11
/IN_MAP2: length 173.3
  In1.Cu w0.4: 120.37,61.58 117.93,59.13 117.93,21.18 116.67,19.92 55.77,19.92 54.37,18.52 44.42,18.52 U2.1 ; 120.37,61.58 120.75,61.95 ; 120.37,61.58 121.22,62.42 120.75,61.95 ; 120.75,61.95 121.32,62.53 121.32,79.5 115.22,85.6 99.89,85.6 v1(99.23,84.94)
  Bottom w0.2: v1(99.23,84.94) 97.19,84.94 96.21,83.96 M7.S12
/IN_PPS1: length 201.7
  In2.Cu w0.2: J21.3 6.15,13.27 30.01,13.27 32.51,15.77 60.3,15.77 64.42,19.9 67.62,19.9 69.74,17.77 80.04,17.77 81.67,16.15 82.38,16.15 103.98,16.15 106.22,18.39 116.93,18.39 118.53,19.99 118.53,63.19 122.58,67.24 122.58,80.77 120.9,82.45 113.2,82.45 112.15,83.5 109.95,83.5 v1(109.23,82.77)
  Bottom w0.2: v1(109.23,82.77) 108.78,82.33 M7.S24
/IN_PPS2: length 214.4
  Top w0.2: R25.2 4.24,8.82 J21.2
  In2.Cu w0.2: v1(102.88,84.37) 106.13,84.37 106.6,83.9 112.32,83.9 113.37,82.85 121.07,82.85 122.98,80.94 122.98,67.07 118.93,63.02 118.93,19.82 117.08,17.97 106.37,17.97 104.15,15.75 81.5,15.75 79.88,17.37 69.58,17.37 67.45,19.5 64.59,19.5 60.46,15.37 32.68,15.37 30.18,12.87 8.29,12.87 J21.2
  Bottom w0.2: M7.S18 104.82,79.38 103.73,80.47 103.18,80.47 102.88,80.77 v1(102.88,84.37)
/IN_TPS: length 20.4
  Bottom w0.2: M7.S10 94.89,85.97 93.21,87.65 91.46,87.65 90.5,88.61 90.5,89.54 89.87,90.18 89.2,90.18 89.2,90.18 84.99,90.18 83.93,89.12
/IN_TPS2: length 219.4
  Top w0.2: R4.2 4.06,24.12 J20.4
  In2.Cu w0.2: v1(101.6,81.2) 102.08,81.67 104.28,81.67 104.3,81.65 120.57,81.65 121.78,80.44 121.78,67.57 117.73,63.52 117.73,20.32 116.6,19.19 105.89,19.19 103.65,16.95 91.3,16.95 89.68,18.57 70.07,18.57 67.95,20.69 64.09,20.69 59.97,16.57 32.18,16.57 29.68,14.07 8.48,14.07 7.73,14.82 7.73,18.22 10.35,20.84 10.35,22 9.57,22.77 7.91,22.77 J20.4
  Bottom w0.2: M7.S17 104.16,79.47 103.66,79.97 102.83,79.97 v1(101.6,81.2)
/IN_TPS3: length 217.2
  Top w0.2: J20.3 8.39,21.52 5.79,24.12 R16.2
  In2.Cu w0.2: v1(103.78,83.77) 105.93,83.77 106.25,83.45 107.7,83.45 109.1,82.05 120.74,82.05 122.18,80.61 122.18,67.4 118.13,63.35 118.13,20.15 116.76,18.79 106.06,18.79 103.82,16.55 81.83,16.55 80.21,18.17 69.91,18.17 67.78,20.29 64.26,20.29 60.13,16.17 32.35,16.17 29.85,13.67 8.18,13.67 7.33,14.52 7.33,19.65 J20.3
  Bottom w0.2: v1(103.78,83.77) 103.58,83.57 103.58,82.12 106.14,79.56 M7.S20
/IN_VIGN: length 77.3
  In2.Cu w0.4: v1(22.33,36.07) 10.89,36.07 M1.V3
  Bottom w0.4: JP2.2 20.13,87.62 16.83,84.32 16.83,70.1 18.73,68.2 18.73,59.31 17.71,58.3 17.71,56.97 22.33,52.36 v1(22.33,36.07)
/IN_VSS: length 19.6
  Bottom w0.2: JP42.2 80.18,89.12 81.28,88.02 88.74,88.02 92,84.76 92,82.53 90.85,81.38 M7.S6
/INJ1: length 20.2
  Bottom w0.2: M9.W24 63.23,56.07 66.87,52.42 66.87,46.52 69.32,44.08 M11.E25
/INJ2: length 20.2
  Bottom w0.2: M11.E26 69.22,44.74 67.27,46.68 67.27,52.59 64.5,55.37 64.5,55.38 63.36,56.51 M9.W23
/INJ3: length 20.1
  Bottom w0.2: M9.W20 60.5,59.94 67.67,52.76 67.67,48.03 68.98,46.72 M11.E29
/INJ4: length 20.1
  Bottom w0.2: M9.W19 60.26,60.74 68.07,52.93 68.07,48.19 68.89,47.38 M11.E30
/INJ5: length 20.2
  Bottom w0.2: M9.W18 60.03,61.54 68.47,53.1 68.47,48.36 68.79,48.04 M11.E31
/INJ6: length 19.9
  Bottom w0.2: M11.E32 69.25,48.7 68.87,49.08 68.87,53.26 59.89,62.25 M9.W17
/INJ7: length 19.8
  Bottom w0.2: M9.W16 59.04,63.22 59.48,63.22 69.27,53.43 69.27,49.73 69.64,49.36 M11.E33
/INJ8: length 19.6
  Bottom w0.2: M11.E34 69.83,50.02 69.67,50.18 69.67,53.59 59.64,63.62 59.58,63.62 59.23,63.97 M9.W15
/INK1: length 7.9
  Bottom w0.2: 91.69,57.4 91.69,65.27
/INK2: length 7.9
  Bottom w0.2: M7.N24 89.5,57.4
/LPS_SCL: length 23.9
  Top w0.2: U4.2 104.14,11.44 104.51,11.81 104.51,12.33 v1(104.61,12.43)
  Bottom w0.2: M11.N19 86.45,20.8 86.63,20.62 87.06,20.62 91.21,16.48 97.02,16.48 100.08,13.42 101.18,13.42 102.23,12.37 104.55,12.37 v1(104.61,12.43)
/LPS_SDA: length 20.1
  Top w0.2: v1(102.23,13.37) 102.84,12.76 102.84,12.08 U4.4
  Bottom w0.2: v1(102.23,13.37) 101.77,13.83 100.25,13.83 97.19,16.88 91.37,16.88 87.55,20.7 M11.N18
/LSU_CALIBR_RES: length 20.7
  Top w0.2: J17.5 20.93,8.86 P3.1
  Top w0.3: 33.93,10.85 33.37,10.85 31.39,12.82 24.89,12.82 P3.1
/LSU_HEAT-: length 24.1
  Top w3: 26.84,8.61 27.85,7.6 31.73,7.6 32.73,8.6 35.08,8.6 35.18,8.7 ; 26.84,8.61 26.84,6.51 25.28,4.95 ; 26.84,8.61 26.84,10.97 ; 26.84,8.61 26.84,7.04 24.75,4.95 ; 25.28,4.95 25.28,3.62 ; 25.28,4.95 24.75,4.95 ; 24.75,4.95 23.48,3.67 23.48,3.62
/LSU_PUMP_I: length 23.9
  Top w0.2: J17.6 18.43,9.61 P4.1
  Top w0.3: 33.93,11.85 33.93,11.67 ; 33.93,11.85 33.07,11.85 31.6,13.32 22.14,13.32 P4.1 ; 33.93,11.85 33.89,11.88
/LSU_SENSOR_U: length 45.1
  Top w0.3: 32.01,14.32 16.98,14.32 ; 32.01,14.32 32.24,14.09 ; 32.01,14.32 16.98,14.32 ; 32.01,14.32 32.24,14.09 ; 16.98,14.32 16.64,14.32 P6.1 13.34,3.71 J17.8 ; 33.93,13.67 33.93,13.85 M3.E1 32.51,13.82 32.24,14.09